# Altium PCB CameraControler2.1.PcbDoc (part 1 of 3)
Units mm, origin at the board's own origin, x right, y up, seen from the top; angles counter-clockwise.
Board outline 140 x 112 mm, 2 copper layers (Top Layer, Bottom Layer); 295 components, 219 nets, 919 pads, 603 vias.
Unrouted connection lines stored in the file: 191.
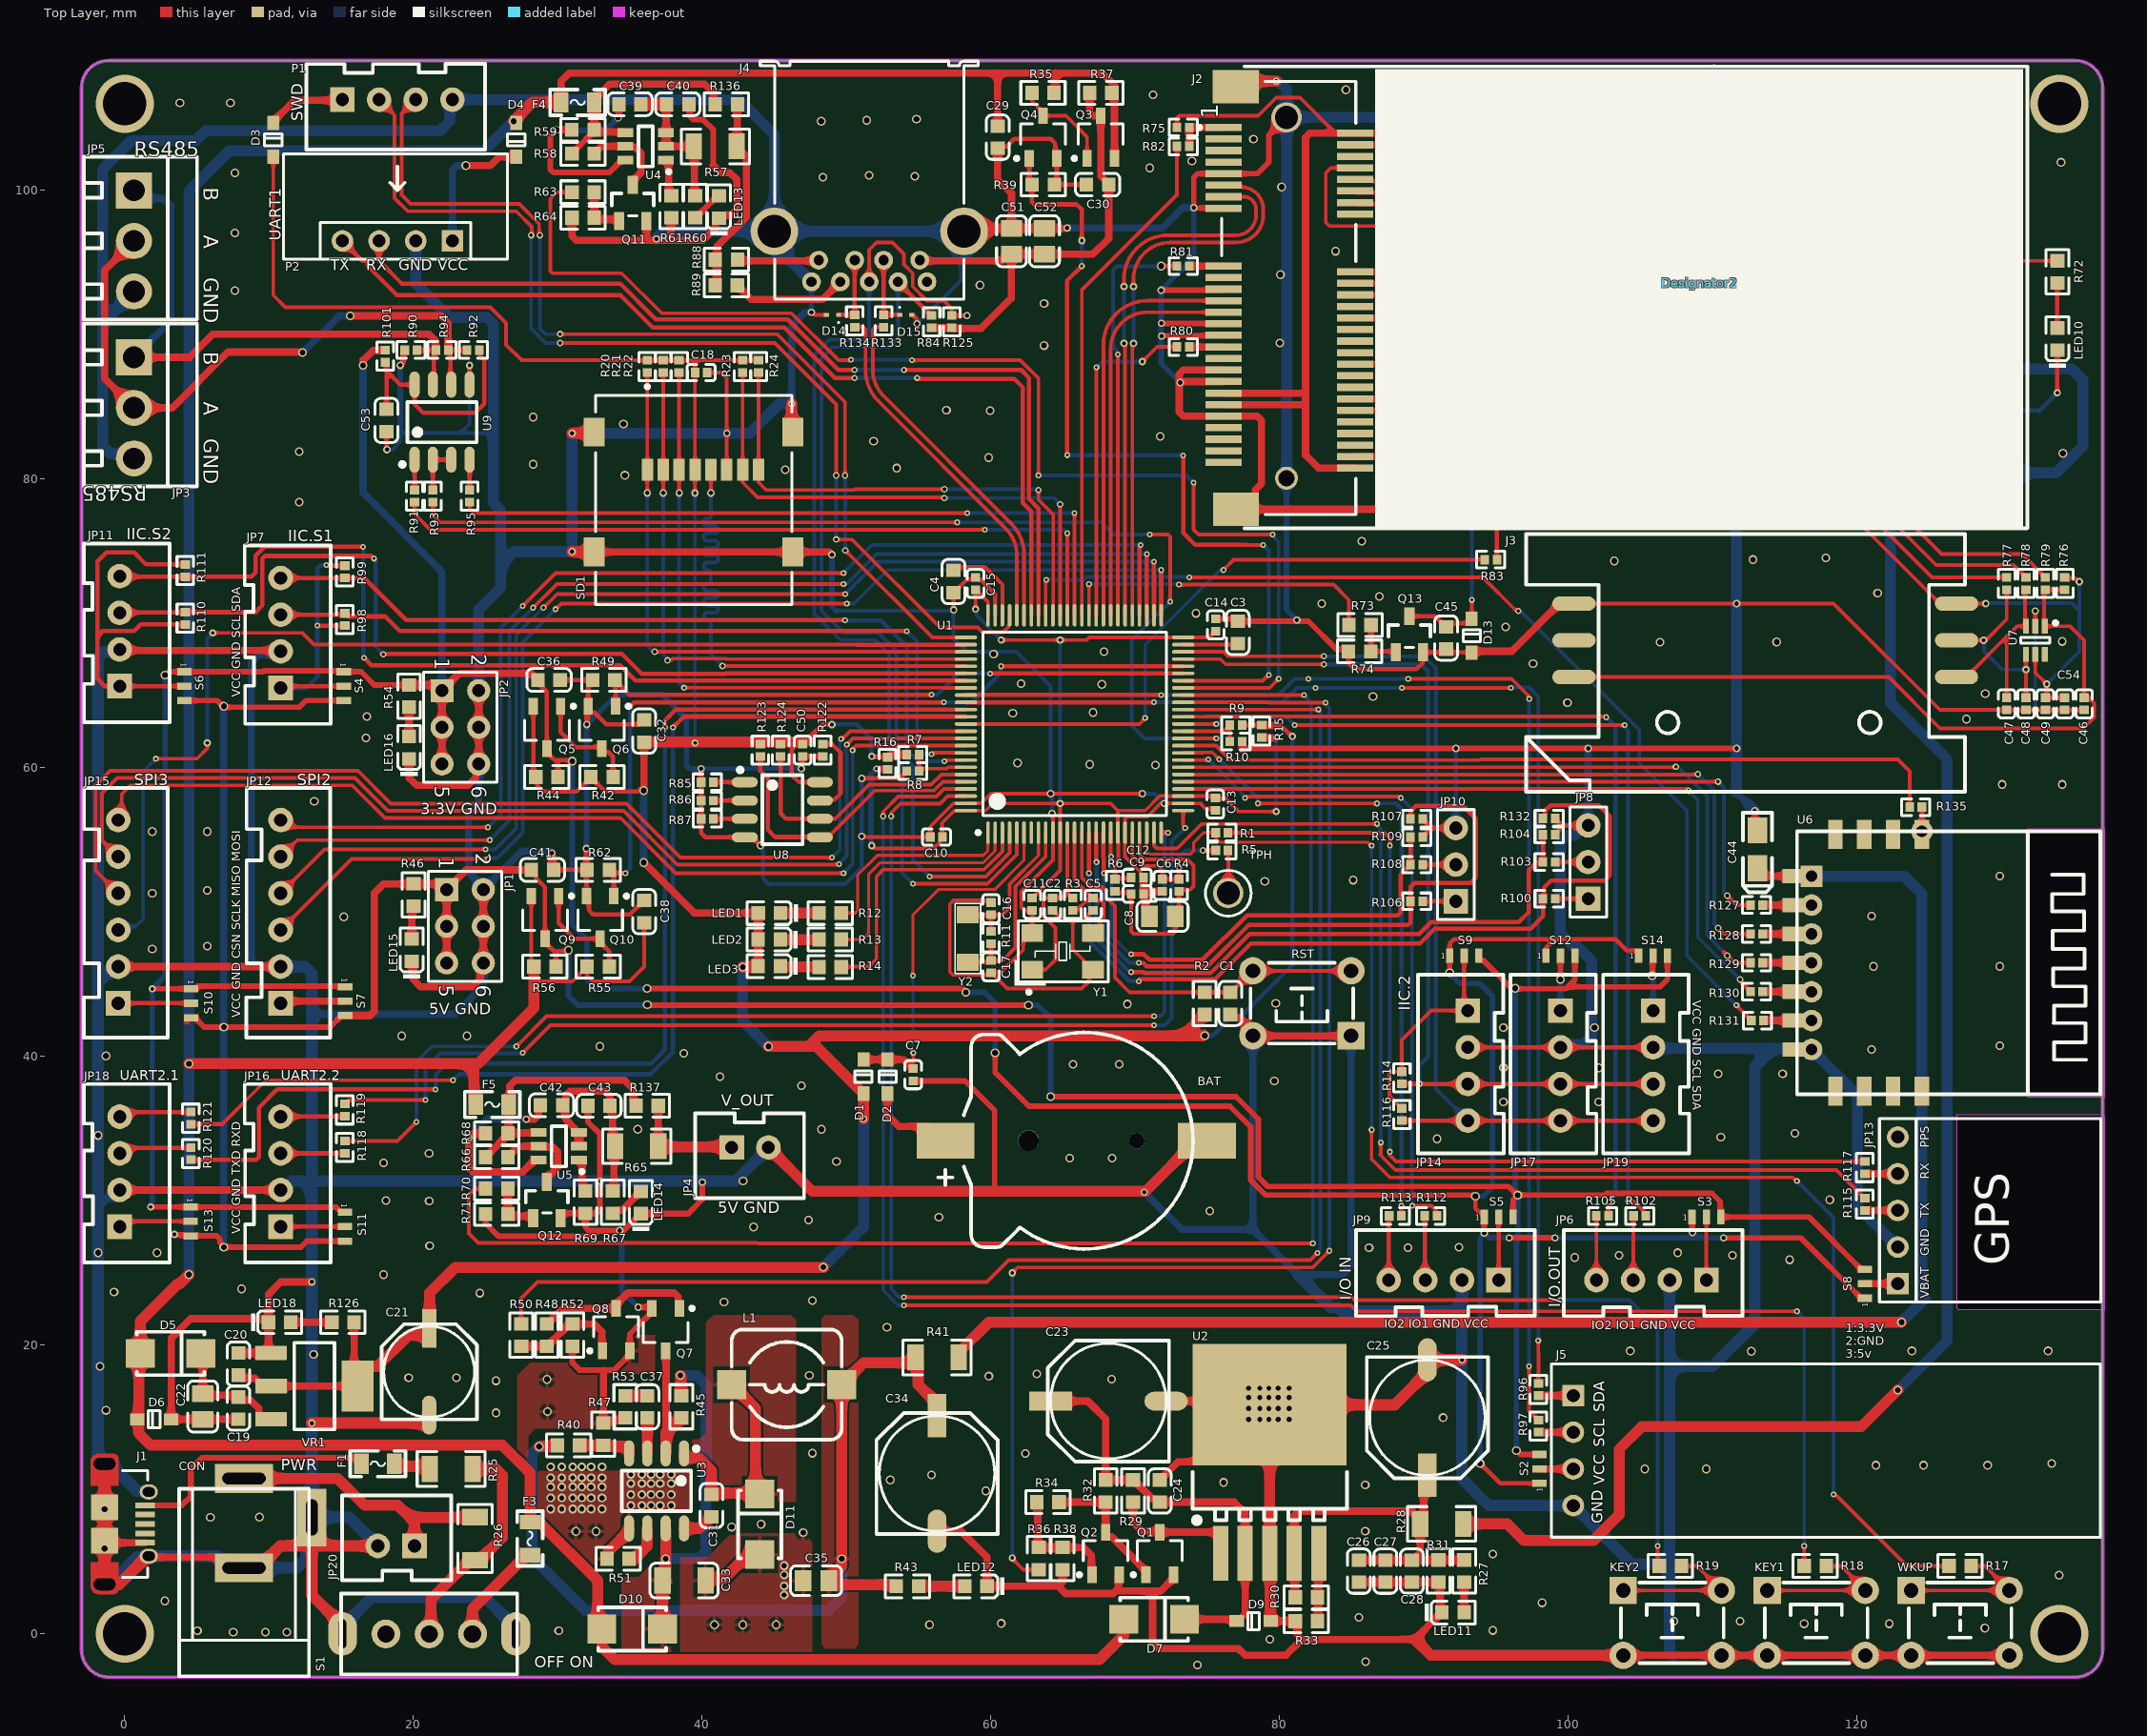
[diagram p0: Top Layer view]
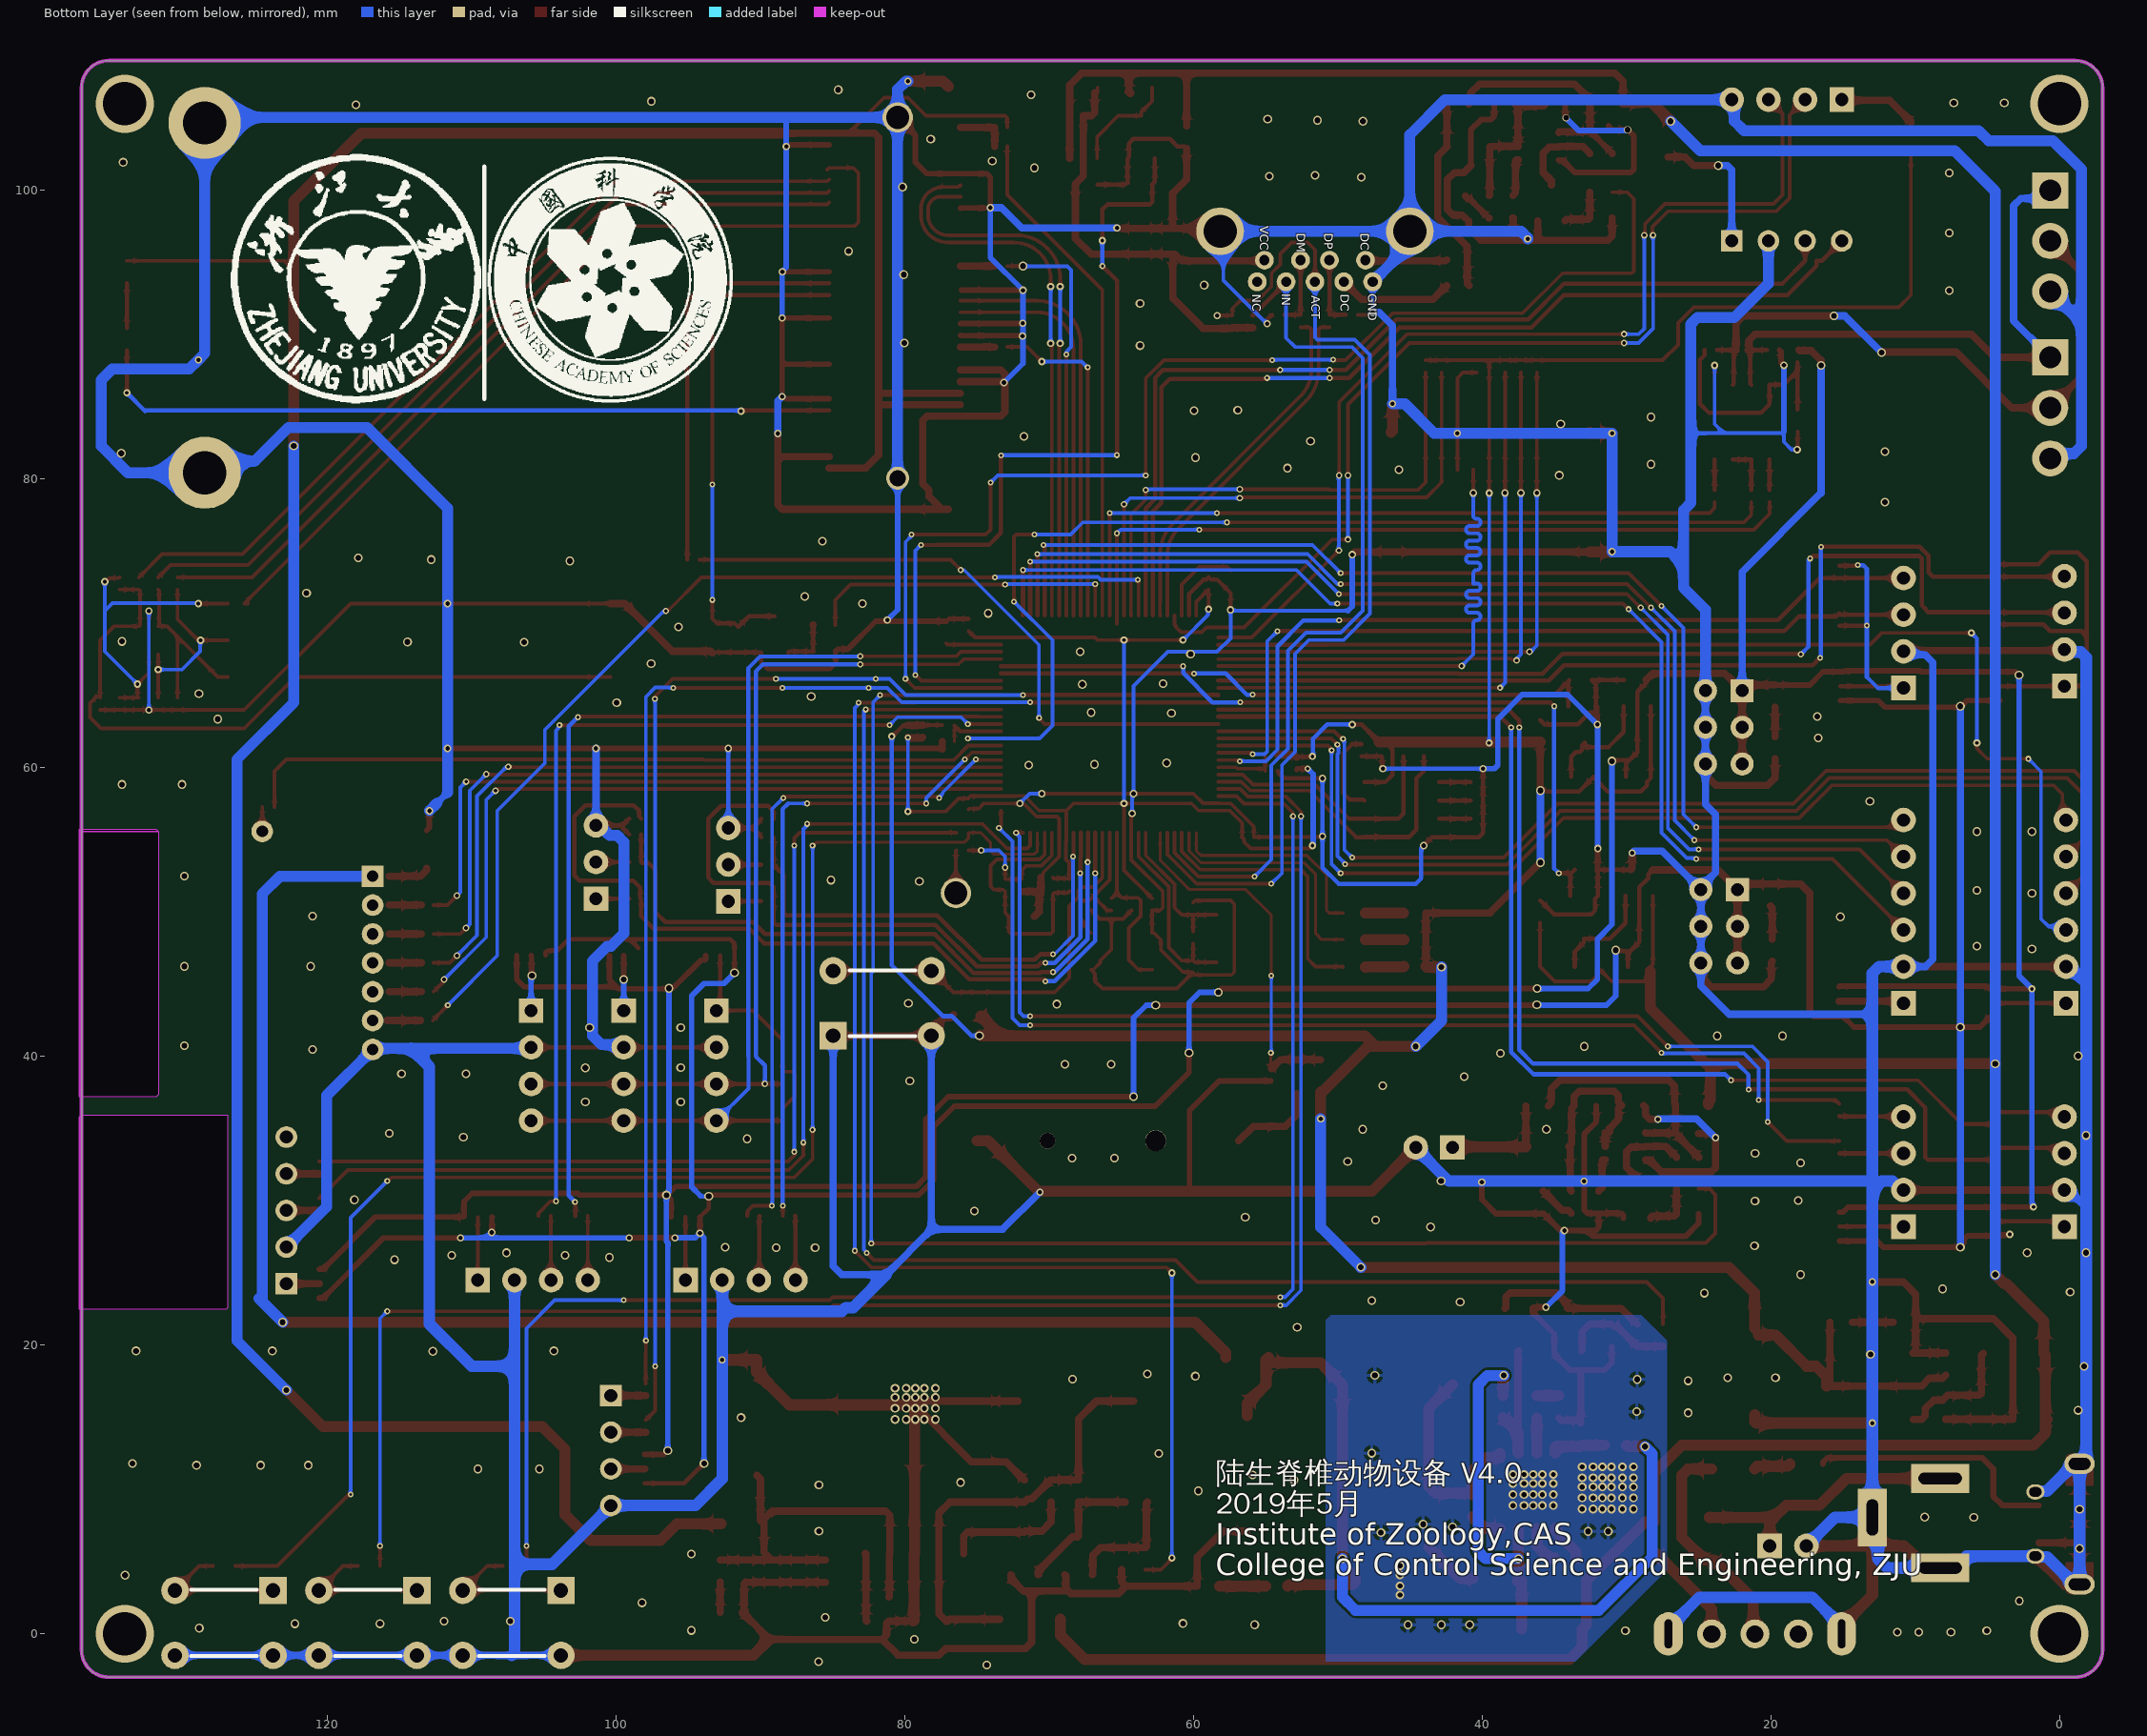
[diagram p1: Bottom Layer view, seen from below]

## Layer stack, top to bottom
Top Solder: solder mask 0.0102, Solder Resist, Dk 3.5
Top Layer: signal copper 0.0356
Dielectric 1: dielectric 0.32, FR-4, Dk 4.8
Bottom Layer: signal copper 0.0356
Bottom Solder: solder mask 0.0102, Solder Resist, Dk 3.5

## Board outline
-2.995,-1.095 ccw(c-1.095,-1.095) -1.095,-2.995 -1.1,-3 135.1,-3 ccw(c135.1,-1.1) 137,-1.1 137,107.1 ccw(c135.1,107.1) 135.1,109 -1.1,109 ccw(c-1.1,107.1) -3,107.1
cut-out: 137.16,35.814 137.033,35.941 126.873,35.941 126.873,22.606 127,22.479 137.16,22.479
cut-out: 137.033,55.626 136.999,55.592 131.685,55.592 131.685,37.352 131.826,37.211 137.16,37.211 137.16,55.753 131.846,55.753 131.685,55.592
cut-out: 136.906,56.134
cut-out: 136.906,57.531

## Design rules (kind name [scope] priority, off if disabled: settings)
Clearance [All] p1: gap=0.152 ignorepadtopadclearanceinfootprint=FALSE except(0: Arc-Hole Track-Hole SMDPad-Hole THPad-Hole Via-Hole Fill-Hole Poly-Hole Region-Hole Text-Hole; 0.025: THPad-Fill THPad-Poly THPad-Region Via-Fill Via-Poly Via-Region)
DiffPairsRouting [All] p1: maxlimit=0.254 minlimit=0.254 mostfreqgap=0.254 toplayer_minwidth=0.254 toplayer_maxwidth=0.381 toplayer_prefwidth=0.381 bottomlayer_minwidth=0.254 bottomlayer_maxwidth=0.381 bottomlayer_prefwidth=0.381 maxuncoupledlength=12.7
HoleSize [All] p1: absolutevalues=TRUE maxlimit=3.048 minlimit=0.025 maxpercent=80.000 minpercent=20.000
Length [InNetClass('UART3')] p1: maxlimit=39.624 minlimit=39.649
MinimumSolderMaskSliver [All] p1: minsoldermaskwidth=0.025
PolygonConnect [All] p1: connectstyle=Relief reliefconductorwidth=0.254 reliefentries=4 polygonreliefangle="90 Angle" airgapwidth=0.254
RoutingVias [All] p1: holewidth=0.254 width=0.508 viastyle="Through Hole" minholewidth=0.152 minwidth=0.254 maxholewidth=0.762 maxwidth=1.27
SolderMaskExpansion [All] p1: expansion=0.102
Width [All] p1: maxlimit=1.27 minlimit=0.152 preferedwidth=0.254 minimp=50.000000 maximp=50.000000 favimp=50.000000
27 further rules are at their usual default settings.

## Classes and differential pairs
component class WiFi&4G_F: C44 C45 C46 C47 C48 C49 C54 D13 J2 J3 LED10 Q13 R72 R73 R74 R75 R76 R77 R78 R79 R80 R81 R82 R83 R127 R128 R129 R130 R131 R135 U6 U7
component class PWR_F: C19 C20 C21 C22 C23 C24 C25 C26 C27 C28 C29 C30 C31 C32 C33 C34 C35 C36 C37 C38 C39 C40 C41 C42 C43 CON D5 D6 D7 D9 D10 D11 F1 F3 F4 F5 J1 JP1 JP2 JP20 L1 LED11 LED12 LED13 LED14 LED15 LED16 LED18 Q1 Q2 Q3 Q4 Q5 Q6 Q7 Q8 Q9 Q10 Q11 Q12 R25 R26 R27 R28 R29 R30 R31 R32 R33 R34 R35 R36 R37 R38 R39 R40 R41 R42 R43 R44 R45 R46 R47 R48 R49 R50 R51 R52 R53 R54 R55 R56 R57 R58 R59 R60 R61 R62 R63 R64 R65 R66 R67 R68 R69 R70 R71 R126 R136 R137 S1 U2 U3 U4 U5 VR1
component class MCU_F: BAT C1 C2 C3 C4 C5 C6 C7 C8 C9 C10 C11 C12 C13 C14 C15 C16 C17 C18 D1 D2 D3 D4 KEY1 KEY2 LED1 LED2 LED3 P1 P2 R1 R2 R3 R4 R5 R6 R7 R8 R9 R10 R11 R12 R13 R14 R15 R16 R17 R18 R19 R20 R21 R22 R23 R24 RST SD1 TPH U1 WKUP Y1 Y2
component class Device_F: C50 C51 C52 C53 D14 D15 J4 J5 JP3 JP4 JP5 JP6 JP7 JP8 JP9 JP10 JP11 JP12 JP13 JP14 JP15 JP16 JP17 JP18 JP19 R84 R85 R86 R87 R88 R89 R90 R91 R92 R93 R94 R95 R96 R97 R98 R99 R100 R101 R102 R103 R104 R105 R106 R107 R108 R109 R110 R111 R112 R113 R114 R115 R116 R117 R118 R119 R120 R121 R122 R123 R124 R125 R132 R133 R134 S2 S3 S4 S5 S6 S7 S8 S9 S10 S11 S12 S13 S14 U8 U9
differential pair USB: +USB_P -USB_N

## Components (designator, comment, footprint, x,y, rotation, side; value= is the part's Value field where it differs from the comment)
BAT "BAT CR1220" CR1220_B 66.494,34.163 r180 top
C1 "100nF" 0603_C 76.581,43.683 r90 top
C2 "22pF" 0402_C 64.258,50.542 r270 top
C3 "2.2uF" 0603_C 77.089,69.386 r270 top
C4 "2.2uF" 0603_C 57.404,72.906 r90 top
C5 "22pF" 0402_C 67.069,50.542 r270 top
C6 "100nF" 0402_C 71.865,51.86 r90 top
C7 "100nF" 0402_C 54.607,38.738 r270 top
C8 "10uF" 0805_C 71.881,49.701 r0 top
C9 "100nF" 0402_C 70.129,51.26 r180 top
C10 "100nF" 0402_C 56.219,55.203 r180 top
C11 "100nF" 0402_C 62.853,50.542 r270 top
C12 "100nF" 0402_C 70.129,52.403 r0 top
C13 "100nF" 0402_C 75.54,57.485 r270 top
C14 "100nF" 0402_C 75.565,69.894 r90 top
C15 "100nF" 0402_C 58.928,72.771 r90 top
C16 "22pF" 0402_C 60.001,50.239 r90 top
C17 "22pF" 0402_C 60.001,46.224 r270 top
C18 "100nF" 0402_C 39.921,87.383 r0 top
C19 "100nF" 0603_C 7.874,15.638 r90 top
C20 "100nF" 0603_C 7.874,18.698 r270 top
C21 "220uF" "CT 6*6 - C" 21.082,18.161 r90 top
C22 "10uF" 0805_C 5.402,15.758 r90 top
C23 "470uF" "CT 8*7 - C" 68.128,16.127 r180 top
C24 "100nF" 0603_C 71.684,9.896 r270 top
C25 "470uF" "CT 8*7 - C" 90.226,14.984 r270 top
C26 "100nF" 0603_C 85.471,4.347 r90 top
C27 "10pF" 0603_C 87.312,4.347 r90 top
C28 "33pF" 0603_C 89.154,4.347 r90 top
C29 "1uF" 0603_C 60.458,103.688 r90 top
C30 "1uF" 0603_C 67.386,100.402 r0 top
C31 "100nF" 0603_C 40.64,8.89 r90 top
C32 "1uF" 0603_C 35.97,62.545 r270 top
C33 "10uF" 1206_C 38.735,3.695 r0 top
C34 "470uF" "CT 8*7 - C" 56.261,11.113 r90 top
C35 "22uF" 0805_C 47.879,3.683 r0 top
C36 "1uF" 0603_C 29.383,66.084 r180 top
C37 "220pF" 0603_C 36.195,15.732 r270 top
C38 "1uF" 0603_C 35.973,50.037 r270 top
C39 "1nF" 0603_C 34.989,105.974 r180 top
C40 "100nF" 0603_C 38.299,105.974 r180 top
C41 "1uF" 0603_C 28.927,52.933 r180 top
C42 "1nF" 0603_C 29.557,36.617 r180 top
C43 "100nF" 0603_C 32.84,36.588 r0 top
C44 "4.7uF" CASE-A_3216 113.084,54.356 r270 top
C45 "100nF" 0603_C 91.523,68.997 r90 top
C46 "33pF" 0402_C 135.714,64.433 r90 top
C47 "33pF" 0402_C 130.346,64.433 r90 top
C48 "33pF" 0402_C 131.688,64.433 r90 top
C49 "33pF" 0402_C 133.03,64.433 r90 top
C50 "100nF" 0402_C 46.947,61.216 r270 top
C51 "10uF" 0805_C 61.418,96.482 r270 top
C52 "100nF" 0805_C 63.704,96.482 r270 top
C53 "100nF" 0603_C 18.126,84.066 r270 top
C54 "100nF" 0402_C 134.372,64.433 r90 top
CON "DC" DC-005 8.255,4.572 r270 top
D1 "1N4148" SOD-323 51.162,38.608 r270 top
D2 "1N4148" SOD-323 52.832,38.608 r270 top
D3 "1N4148" SOD-323 10.287,103.505 r270 top
D4 "1N4148" SOD-323 27.116,103.505 r90 top
D5 "B350A" SMA(DO-214AC)_S1 3.175,19.431 r180 top
D6 "SD24C" SOD-323 2.032,14.868 r0 top
D7 "B350A" SMA(DO-214AC)_S1 71.303,1.014 r180 top
D9 "SD24C" SOD-323 78.198,0.887 r0 top
D10 "B350A" SMA(DO-214AC)_S1 35.145,0.345 r180 top
D11 "SS34" SMA(DO-214AC)_S1 43.974,7.595 r270 top
D13 "LESD3Z5.0T1G" SOD-323 93.301,69.148 r270 top
D14 "ESD9L5.0ST5G" ONSC-SOD-923-2-514AB-01_V 49.022,91.379 r180 top
D15 "ESD9L5.0ST5G" ONSC-SOD-923-2-514AB-01_V 54.102,91.379 r0 top
Designator2 "Comment" LOG_L 109.093,93.599 r0 top
F1 "5V 2A" "FU 0805" 17.526,11.788 r180 top
F3 "5V 3A" "FU 0805" 28.067,6.604 r90 top
F4 "5V 2A" "FU 0805" 31.367,106.101 r180 top
F5 "5V 2A" "FU 0805" 25.457,36.675 r180 top
J1 "MicroUSB" MOLX-47589-0001 -1.397,7.613 r270 top
J2 "EC25-AU" PCIEmin-i 80.467,80.061 r90 top locked
J3 "SIM Card" "SIM Card" 100.373,66.294 r180 top locked
J4 "USB 3.0" USB3.0-i 51.562,100.711 r180 top locked
J5 "OLED" "HDR-4P OLED" 100.33,16.51 r0 top
JP1 "HDR-2X3" HDR-3X2 22.293,51.562 r270 top
JP2 "HDR-2X3" HDR-3X2 21.975,65.345 r270 top
JP3 "HDR-1X3" KF350-3P 0.635,88.435 r270 top
JP4 "XH-2.56-2P" XH2.54-2P 42.041,33.7 r0 top
JP5 "HDR-1X3" KF350-3P 0.635,100.001 r270 top
JP6 "I/O" XH2.54-4P 109.55,24.511 r180 top
JP7 "IIC" XH2.54-4P 10.795,65.532 r90 top
JP8 "HDR-1X3" HDR-1X3 101.362,50.929 r90 top
JP9 "I/O" XH2.54-4P 95.16,24.511 r180 top
JP10 "HDR-1X3" HDR-1X3 92.194,50.752 r90 top
JP11 "IIC" XH2.54-4P -0.356,65.659 r90 top
JP12 "SPI2" XH2.54-6P 10.795,43.688 r90 top
JP13 "HDR-5P GPS" "HDR-5P GPS" 122.809,24.257 r90 top
JP14 "IIC" XH2.54-4P 93.028,43.18 r270 top locked
JP15 "SPI3" XH2.54-6P -0.457,43.688 r90 top
JP16 "UART2_1" XH2.54-4P 10.795,28.211 r90 top
JP17 "IIC" XH2.54-4P 99.441,43.18 r270 top
JP18 "UART2_2" XH2.54-4P -0.356,28.211 r90 top
JP19 "IIC" XH2.54-4P 105.855,43.18 r270 top
JP20 "DC" XH2.54-2P 20.066,6.096 r180 top
KEY1 "KEY" "TSW DIP-6*6*8" 117.157,0.762 r0 top
KEY2 "KEY" "TSW DIP-6*6*8" 107.188,0.762 r0 top
L1 "10uH" CDRH74 45.847,17.272 r180 top
LED1 "绿灯 0603" 0603_LED_S1 44.653,49.939 r180 top
LED2 "黄灯 0603" 0603_LED_S1 44.634,48.098 r180 top
LED3 "蓝灯 0603" 0603_LED_S1 44.634,46.256 r180 top
LED10 "蓝灯 0603" 0603_LED_S1 133.858,89.698 r90 top
LED11 "黄灯 0603" 0603_LED_S1 91.996,1.487 r0 top
LED12 "黄灯 0603" 0603_LED_S1 58.952,3.302 r180 top
LED13 "黄灯 0603" 0603_LED_S1 41.154,98.854 r90 top
LED14 "黄灯 0603" 0603_LED_S1 35.751,29.886 r90 top
LED15 "黄灯 0603" 0603_LED_S1 19.88,47.363 r90 top
LED16 "黄灯 0603" 0603_LED_S1 19.689,61.4 r90 top
LED18 "红灯 0603" 0603_LED_S1 10.724,21.59 r0 top
P1 "JLINK" XH2.54-4P 15.072,106.291 r0 top
P2 "LOG" "HDR-4P Bluetooth-v" -12.995,108.49 r90 top
Q1 "AO3400A" SOT-23-3L 71.684,5.573 r270 top
Q2 "AO3400A" SOT-23-3L 67.94,5.573 r270 top
Q3 "AO3401A" SOT-23-3L 67.599,103.696 r270 top
Q4 "AO3400A" SOT-23-3L 63.601,103.696 r270 top
Q5 "AO3401A" SOT-23-3L 29.239,62.79 r90 top
Q6 "AO3400A" SOT-23-3L 33.049,62.79 r90 top
Q7 "AO3400A" SOT-23-3L 37.465,21.082 r90 top
Q8 "AO3400A" SOT-23-3L 34.036,21.082 r270 top
Q9 "AO3401A" SOT-23-3L 29.107,49.639 r90 top
Q10 "AO3400A" SOT-23-3L 32.925,49.639 r90 top
Q11 "SS8050" SOT-23(SOT-23-3) 35.185,99.136 r270 top
Q12 "SS8050" SOT-23(SOT-23-3) 29.24,30.051 r270 top
Q13 "SS8050 Y1" SOT-23(SOT-23-3) 88.983,69.251 r270 top
R1 "0Ω" 0402_R 75.99,55.511 r0 top
R2 "10KΩ" 0603_R 74.803,43.683 r90 top
R3 "NC" 0402_R 65.664,50.542 r90 top value=1MΩ
R4 "0Ω" 0402_R 73.025,51.86 r270 top
R5 "NC" 0402_R 75.99,54.273 r0 top value=0Ω
R6 "10Ω" 0402_R 68.58,51.86 r270 top
R7 "NC" 0402_R 54.582,60.914 r0 top value=10KΩ
R8 "10KΩ" 0402_R 54.582,59.775 r180 top
R9 "NC" 0402_R 76.965,62.961 r180 top value=10KΩ
R10 "10KΩ" 0402_R 76.965,61.818 r0 top
R11 "NC" 0402_R 60.001,48.232 r90 top value=1MΩ
R12 "4.7KΩ" 0603_R 48.852,49.939 r180 top
R13 "4.7KΩ" 0603_R 48.852,48.098 r180 top
R14 "4.7KΩ" 0603_R 48.852,46.194 r180 top
R15 "0Ω" 0402_R 78.74,62.536 r270 top
R16 "0Ω" 0402_R 52.832,60.31 r270 top
R17 "4.7KΩ" 0603_R 127.127,4.699 r0 top
R18 "4.7KΩ" 0603_R 117.094,4.699 r0 top
R19 "4.7KΩ" 0603_R 107.061,4.699 r0 top
R20 "47KΩ" 0402_R 36.196,87.808 r270 top
R21 "47KΩ" 0402_R 37.296,87.808 r270 top
R22 "47KΩ" 0402_R 38.396,87.808 r270 top
R23 "47KΩ" 0402_R 42.796,87.808 r270 top
R24 "47KΩ" 0402_R 43.896,87.808 r270 top
R25 "0Ω" 1206_R 22.606,11.43 r0 top
R26 "0Ω" 1206_R 24.257,6.604 r270 top
R27 "4.7KΩ" 0603_R 92.766,4.352 r90 top
R28 "0Ω" 1206_R 91.209,7.618 r0 top
R29 "51KΩ" 0603_R 69.84,9.896 r90 top
R30 "82KΩ" 0603_R 81.844,2.538 r180 top
R31 "470Ω" 0603_R 90.988,4.352 r90 top
R32 "100KΩ" 0603_R 67.94,9.896 r90 top
R33 "47KΩ" 0603_R 81.844,0.887 r0 top
R34 "NC" 0603_R 63.937,9.126 r0 top
R35 "100KΩ" 0603_R 63.601,106.763 r0 top
R36 "10KΩ" 0603_R 63.302,5.213 r90 top
R37 "NC" 0603_R 67.599,106.763 r0 top
R38 "100KΩ" 0603_R 64.953,5.213 r90 top
R39 "100KΩ" 0603_R 63.616,100.402 r180 top
R40 "124KΩ" 0603_R 30.734,13.065 r180 top
R41 "0Ω" 1206_R 56.261,19.158 r0 top
R42 "100KΩ" 0603_R 33.049,59.37 r180 top
R43 "4.7KΩ" 0603_R 54.215,3.302 r180 top
R44 "NC" 0603_R 29.239,59.37 r180 top
R45 "100KΩ" 0603_R 38.547,15.732 r270 top
R46 "10KΩ" 0603_R 20.007,51.189 r90 top
R47 "40.2KΩ" 0603_R 33.147,13.835 r270 top
R48 "NC" 0603_R 29.229,20.693 r90 top
R49 "100KΩ" 0603_R 33.176,66.084 r0 top
R50 "10KΩ" 0603_R 27.451,20.693 r270 top
R51 "200KΩ" 0603_R 34.163,5.207 r180 top
R52 "100KΩ" 0603_R 31.007,20.693 r90 top
R53 "68.1KΩ" 0603_R 34.671,15.732 r90 top
R54 "4.7KΩ" 0603_R 19.689,64.972 r90 top
R55 "100KΩ" 0603_R 32.798,46.219 r180 top
R56 "NC" 0603_R 29.107,46.219 r180 top
R57 "0Ω" 1206_R 40.9,103.053 r0 top
R58 "51KΩ" 0603_R 31.748,102.545 r180 top
R59 "100KΩ" 0603_R 31.74,104.196 r0 top
R60 "10KΩ" 0603_R 39.503,98.87 r90 top
R61 "4.7KΩ" 0603_R 37.852,98.87 r270 top
R62 "100KΩ" 0603_R 32.798,52.933 r0 top
R63 "4.7KΩ" 0603_R 31.748,99.878 r0 top
R64 "47KΩ" 0603_R 31.748,98.1 r180 top
R65 "0Ω" 1206_R 35.461,33.782 r0 top
R66 "51KΩ" 0603_R 25.756,33.02 r180 top
R67 "4.7KΩ" 0603_R 33.808,29.914 r90 top
R68 "100KΩ" 0603_R 25.756,34.671 r0 top
R69 "4.7KΩ" 0603_R 31.903,29.914 r270 top
R70 "4.7KΩ" 0603_R 25.756,30.841 r0 top
R71 "47KΩ" 0603_R 25.756,29.083 r180 top
R72 "4.7KΩ" 0603_R 133.858,94.353 r90 top
R73 "4.7KΩ" 0603_R 85.554,69.886 r0 top
R74 "4.7KΩ" 0603_R 85.535,68.061 r180 top
R75 "10KΩ" 0402_R 73.311,104.361 r0 top
R76 "15KΩ" 0402_R 134.366,72.771 r90 top
R77 "22Ω" 0402_R 130.346,72.771 r270 top
R78 "22Ω" 0402_R 131.686,72.771 r270 top
R79 "22Ω" 0402_R 133.026,72.771 r270 top
R80 "22Ω" 0402_R 73.311,89.161 r0 top
R81 "NC" 0402_R 73.311,94.761 r0 top value=22Ω
R82 "22Ω" 0402_R 73.311,103.053 r0 top
R83 "22Ω" 0402_R 94.615,74.422 r180 top
R84 "10KΩ" 0402_R 55.88,90.91 r270 top
R85 "10KΩ" 0402_R 40.343,59.003 r180 top
R86 "10KΩ" 0402_R 40.343,57.733 r180 top
R87 "10KΩ" 0402_R 40.343,56.463 r180 top
R88 "NC" 0603_R 41.67,95.201 r0 top
R89 "0Ω" 0603_R 41.656,93.417 r0 top
R90 "360Ω" 0402_R 19.816,88.939 r180 top
R91 "22Ω" 0402_R 20.07,78.823 r90 top
R92 "360Ω" 0402_R 24.134,88.939 r0 top
R93 "22Ω" 0402_R 21.34,78.823 r90 top
R94 "120Ω" 0402_R 21.975,88.939 r0 top
R95 "22Ω" 0402_R 23.88,78.823 r90 top
R96 "22Ω" 0402_R 97.917,16.935 r90 top
R97 "22Ω" 0402_R 97.917,14.395 r90 top
R98 "4.7KΩ" 0402_R 15.24,70.275 r90 top
R99 "4.7KΩ" 0402_R 15.24,73.577 r270 top
R100 "0Ω" 0402_R 98.651,50.929 r180 top
R101 "0Ω" 0402_R 18.038,88.519 r270 top
R102 "22Ω" 0402_R 104.934,28.956 r0 top
R103 "0Ω" 0402_R 98.651,53.469 r180 top
R104 "NC" 0402_R 98.651,55.374 r0 top value=0Ω
R105 "22Ω" 0402_R 102.355,28.956 r0 top
R106 "0Ω" 0402_R 89.483,50.752 r180 top
R107 "NC" 0402_R 89.483,56.467 r0 top value=0Ω
R108 "0Ω" 0402_R 89.483,53.292 r180 top
R109 "NC" 0402_R 89.483,55.197 r0 top value=0Ω
R110 "4.7KΩ" 0402_R 4.191,70.358 r90 top
R111 "4.7KΩ" 0402_R 4.191,73.66 r270 top
R112 "22Ω" 0402_R 90.461,28.956 r0 top
R113 "22Ω" 0402_R 88.004,28.956 r0 top
R114 "4.7KΩ" 0402_R 88.455,38.525 r270 top
R115 "22Ω" 0402_R 120.523,29.762 r90 top
R116 "4.7KΩ" 0402_R 88.455,35.985 r270 top
R117 "22Ω" 0402_R 120.523,32.302 r90 top
R118 "22Ω" 0402_R 15.24,33.716 r90 top
R119 "22Ω" 0402_R 15.24,36.295 r90 top
R120 "22Ω" 0402_R 4.572,33.274 r270 top
R121 "22Ω" 0402_R 4.572,35.731 r270 top